# Allegro board PandaX_III_V3.brd (continued)
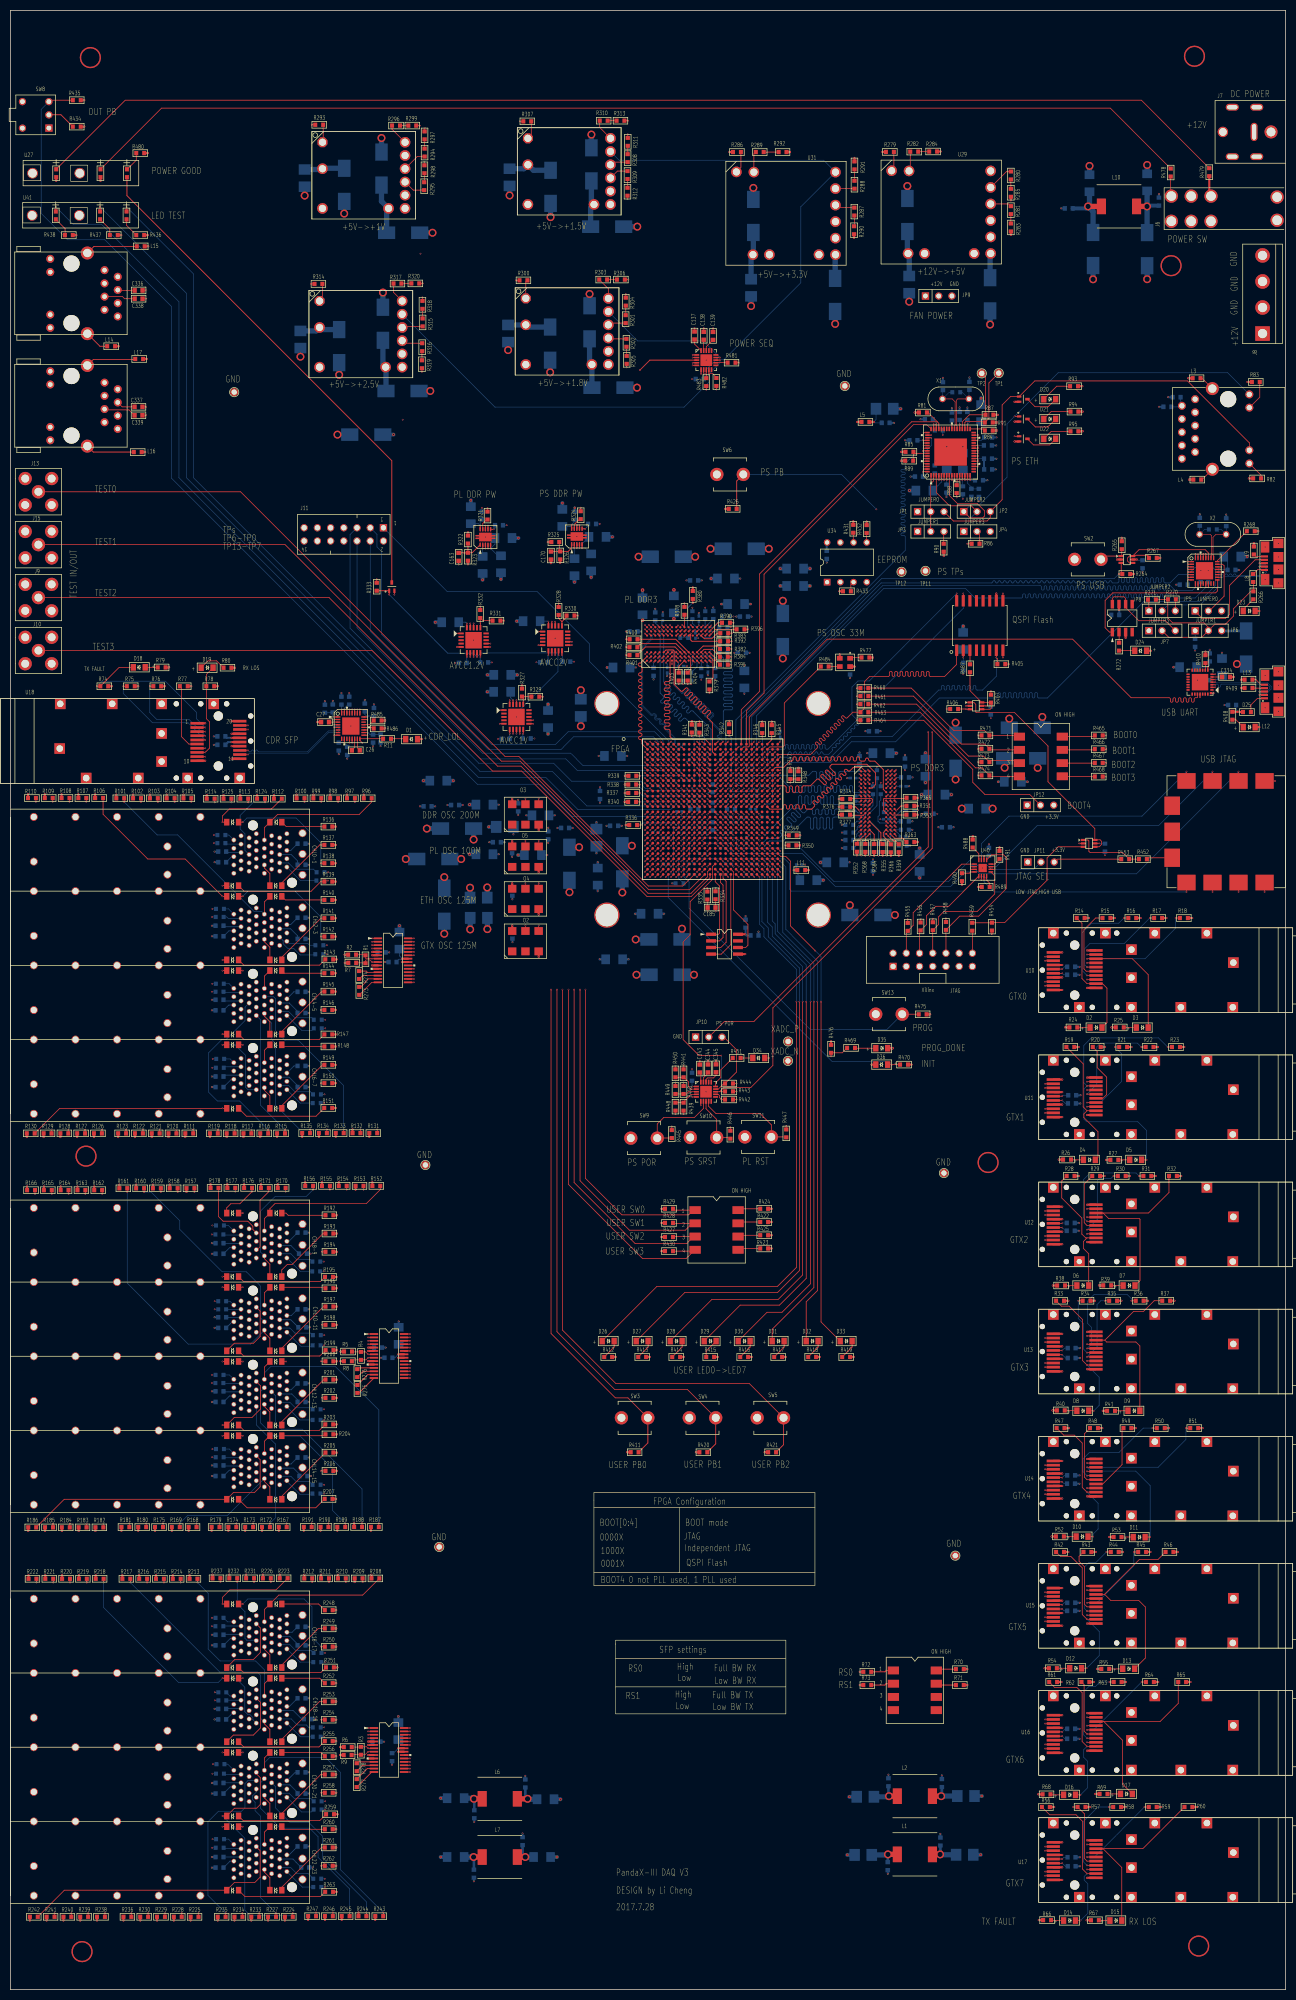
[diagram p0: board, top side]
## Routing (per net, layer and track width the routed paths; a pad name or vN(x,y) marks a point on that pad's centre or on a via; arc(x,y) is an arc through that point) (continued)
FEC_RX_LOS17: length 23.4
  TOP w0.127: R226.2 v1(50.04,78.26) ; J5.1L24 43.07,63.35 46.66,63.35 48.01,64.69 48.01,69.45 J5.1L8
  SIG3 w0.127: v1(50.04,78.26) 48.13,76.35 48.13,71.09 J5.1L8
FEC_RX_LOS18: length 46.7
  TOP w0.127: J5.2T8 48.8,51.02 49.86,49.97 J5.2T24 ; R217.2 v1(23.04,78.16)
  BOTTOM w0.127: J5.2T8 48.6,51.56 48.08,52.07 48.08,60.33 47.45,60.96 40.23,60.96 v1(23.04,78.16)
FEC_RX_LOS19: length 66.1
  TOP w0.127: J5.2L24 42.85,48.87 46.69,48.87 48.03,50.22 48.03,55.18 J5.2L8 ; R222.2 v1(5,78.16)
  SIG1 w0.127: J5.2L8 46.59,56.62 46.59,57.15 44.48,59.26 23.9,59.26 v1(5,78.16)
FEC_RX_LOS20: length 34.7
  TOP w0.127: J5.3T8 48.8,36.8 49.86,35.74 J5.3T24 ; R247.2 v1(58.72,14.81)
  SIG2 w0.127: v1(58.72,14.81) 55.12,14.81 49.53,20.4 49.53,21.9 49.47,21.96 49.47,22.56 49.53,22.61 49.53,23.5 49.47,23.56 49.47,24.16 49.53,24.21 49.53,25.1 49.47,25.16 49.47,25.76 49.53,25.81 49.53,26.7 49.47,26.76 49.47,27.36 49.53,27.41 49.53,28.3 48.03,29.8 48.03,36.5 48.8,37.27 J5.3T8
FEC_RX_LOS21: length 45.1
  TOP w0.127: v1(40.75,33.33) J5.3L24 43.05,34.82 47.29,34.82 48.01,35.54 48.01,40.69 47.25,41.45 J5.3L8 ; R224.2 v1(54.25,14.68)
  BOTTOM w0.127: v1(40.75,33.33) 45.03,29.05 45.03,15.27 46.13,14.17 53.75,14.17 v1(54.25,14.68)
FEC_RX_LOS22: length 32.2
  TOP w0.127: J5.4T24 49.86,21.49 48.8,22.55 J5.4T8 ; R230.2 v1(26.47,14.68)
  SIG2 w0.127: J5.4T8 48.8,22.99 47.7,21.9 47.7,19.84 43.41,15.55 27.33,15.55 v1(26.47,14.68)
FEC_RX_LOS23: length 52
  TOP w0.127: R242.2 10.37,19.08 J5.4L24 43.05,20.58 46.96,20.58 47.98,21.59 47.98,26.67 47.25,27.4 J5.4L8
FEC_RX_N0: length 76.5
  TOP w0.102: U1.C1 v1(121.92,237.62)
  SIG3 w0.102: v1(121.92,237.62) 122.3,237.25 123.23,237.25 123.57,236.91 123.57,236.4 123.17,235.99 117.22,235.99 106,224.77 76.91,224.77 65.84,213.69 61.09,213.69 61.01,213.62 v1(61.01,212.93)
  BOTTOM w0.102: R492.2 v1(61.01,212.93)
FEC_RX_N1: length 103.1
  TOP w0.102: U1.D3 v1(123.92,236.62)
  SIG3 w0.102: v1(123.92,236.62) 124.29,237 124.29,237.83 124.08,238.05 116.16,238.05 104.14,226.04 39.6,226.04 36.6,223.03 36.6,221.16 36.74,221.02 37.15,221.02 arc(37.29,221.08) 37.35,221.22 37.35,221.64 arc(37.55,221.84) 37.76,221.64 37.76,221.22 arc(37.82,221.08) 37.96,221.02 38.99,221.02 39.09,221.12 v1(39.09,221.67)
  BOTTOM w0.102: R494.2 v1(39.09,221.67)
FEC_RX_N2: length 91.2
  TOP w0.102: U1.E3 v1(123.92,235.62)
  SIG3 w0.102: v1(123.92,235.62) 124.29,235.25 125.1,235.25 125.53,234.82 125.53,232.36 125.2,232.03 117.68,232.03 116.18,230.53 116.18,229.03 106.1,218.95 79.84,218.95 63.91,203.02 59.39,203.02 58.6,202.23 58.6,200.11 58.91,199.8 60.71,199.8 60.81,199.9 v1(60.81,200.51)
  BOTTOM w0.102: R496.2 v1(60.81,200.51)
FEC_RX_N3: length 106.6
  TOP w0.102: U1.F2 v1(122.92,234.62)
  SIG3 w0.102: v1(38.81,207.49) 38.81,206.96 38.68,206.83 37.03,206.83 36.93,206.93 36.93,208.86 38.71,210.64 66.09,210.64 76.53,221.08 87.23,221.08 89.89,223.75 107.9,223.75 117.86,233.71 120.98,233.71 121.64,233.05 124.28,233.05 124.51,233.27 124.51,233.96 124.22,234.25 123.29,234.25 v1(122.92,234.62)
  BOTTOM w0.102: R498.2 v1(38.81,207.49)
FEC_RX_N4: length 97.6
  TOP w0.102: U1.L8 v1(128.92,229.62)
  SIG3 w0.102: v1(128.92,229.62) 129.29,229.25 130.29,229.25 130.61,228.93 130.61,227.23 129.44,226.06 119.38,226.06 116.76,223.44 116.76,221.29 110.9,215.42 97.66,215.42 90.22,207.98 90.22,202.79 85.32,197.89 82.85,197.89 76.94,197.89 64.29,185.24 60.48,185.24 60.5,185.22 v1(60.5,184.56)
  BOTTOM w0.102: R500.2 v1(60.5,184.56)
FEC_RX_N5: length 111.5
  TOP w0.102: U1.M4 v1(124.92,228.62)
  SIG3 w0.102: v1(38.79,193.12) 38.79,192.51 37.24,192.51 37.13,192.61 37.13,195.04 38.76,196.67 55.55,196.67 56.01,197.13 60.2,197.13 68.96,205.89 80.09,205.89 90.83,216.64 108.74,216.64 119.02,226.92 126.26,226.92 126.59,227.25 126.59,227.86 126.21,228.25 125.3,228.25 v1(124.92,228.62)
  BOTTOM w0.102: R502.2 v1(38.79,193.12)
FEC_RX_N6: length 107
  TOP w0.102: U1.AC19 v1(140.93,216.62)
  SIG3 w0.102: v1(60.3,170.21) 60.3,170.92 60.25,170.97 99.32,170.97 133.25,204.9 133.25,212.62 135.64,215.01 140.24,215.01 140.54,215.31 140.54,216.49 140.67,216.62 v1(140.93,216.62)
  BOTTOM w0.102: R504.2 v1(60.3,170.21)
FEC_RX_N7: length 128.2
  TOP w0.102: U1.AA18 v1(139.93,218.62)
  SIG3 w0.102: v1(139.93,218.62) 139.9,218.64 139.9,218.87 139.8,218.97 138.62,218.97 138.33,219.27 138.33,219.86 138.15,220.04 121.24,220.04 121.03,219.83 121.03,217.5 112.14,208.61 99.49,208.61 87.93,197.05 77.32,197.05 62.36,182.09 39.4,182.09 37.19,179.88 37.19,178.11 37.29,178 37.52,178 arc(37.66,178.06) 37.72,178.21 37.72,178.39 arc(37.92,178.59) 38.13,178.39 38.13,178.21 arc(38.18,178.06) 38.33,178 38.84,178 38.86,178.03 v1(38.86,178.69)
  BOTTOM w0.102: R506.2 v1(38.86,178.69)
FEC_RX_N8: length 123.3
  TOP w0.102: U1.AD21 v1(142.93,215.62)
  SIG3 w0.102: v1(60.2,137.9) 60.2,138.63 60.3,138.74 77.14,138.74 140.26,201.85 140.26,206.91 142.55,209.21 142.55,215.24 v1(142.93,215.62)
  BOTTOM w0.102: R508.2 v1(60.2,137.9)
FEC_RX_N9: length 140.4
  TOP w0.102: U1.AF20 v1(141.93,213.62)
  SIG3 w0.102: v1(38.81,146.71) 38.81,145.95 38.79,145.92 38.02,145.92 arc(37.92,145.97) 37.88,146.06 arc(37.84,146.16) 37.74,146.2 37.61,146.2 arc(37.51,146.16) 37.47,146.06 arc(37.43,145.97) 37.33,145.92 37.06,145.92 36.96,146.03 36.96,148.51 40.47,152.02 83.08,152.02 141.55,210.49 141.55,213.24 v1(141.93,213.62)
  BOTTOM w0.102: R510.2 v1(38.81,146.71)
FEC_RX_N10: length 137.4
  TOP w0.102: U1.AA23 v1(144.93,218.62)
  SIG3 w0.102: v1(60.27,123.7) 60.27,124.54 60.25,124.56 61.29,124.56 68.74,132 77.95,132 144.55,198.61 144.55,218.24 v1(144.93,218.62)
  BOTTOM w0.102: R512.2 v1(60.27,123.7)
FEC_RX_N11: length 157.3
  TOP w0.102: U1.AC22 v1(143.93,216.62)
  SIG3 w0.102: v1(39.24,132.16) 39.19,132.11 39.19,131.62 39.09,131.52 38.79,131.52 arc(38.64,131.58) 38.58,131.73 38.58,131.75 arc(38.38,131.95) 38.18,131.75 38.18,131.73 arc(38.12,131.58) 37.97,131.52 37.74,131.52 37.16,132.11 37.16,134.03 38.59,135.46 79.2,135.46 143.1,199.36 143.1,207.04 143.55,207.49 143.55,216.25 v1(143.93,216.62)
  BOTTOM w0.102: R514.2 v1(39.24,132.16)
FEC_RX_N12: length 186.4
  TOP w0.102: U1.AF25 v1(146.93,213.62)
  SIG3 w0.102: v1(146.93,213.62) 146.74,213.62 146.53,213.41 146.53,209.68 156.87,199.34 156.87,151.31 132.62,127.05 77.04,127.05 73.96,123.98 73.96,117.68 66.55,110.26 60.38,110.26 60.27,110.16 v1(60.27,109.37)
  BOTTOM w0.102: R516.2 v1(60.27,109.37)
FEC_RX_N13: length 202
  TOP w0.102: U1.AB25 v1(146.93,217.62)
  SIG3 w0.102: v1(38.73,118.01) 38.73,117.43 38.71,117.4 37.92,117.4 arc(37.78,117.46) 37.72,117.6 37.72,117.78 arc(37.52,117.98) 37.31,117.78 37.31,117.6 arc(37.25,117.46) 37.11,117.4 36.88,117.4 36.78,117.5 36.78,119.89 38.31,121.41 60.18,121.41 62.23,123.47 64.6,123.47 70.9,129.77 122.45,129.77 152.55,159.87 152.55,185.47 145.57,192.46 145.57,217.9 145.65,217.99 146.56,217.99 v1(146.93,217.62)
  BOTTOM w0.102: R518.2 v1(38.73,118.01)
FEC_RX_N14: length 183.4
  TOP w0.102: U1.Y20 v1(141.93,219.62)
  SIG4 w0.102: v1(141.93,219.62) 141.93,219.86 141.8,219.99 140.61,219.99 140.51,219.89 140.51,219.27 140.26,219.02 121.07,219.02 119.15,217.09 108.13,217.09 93.7,202.67 93.7,121.57 68.05,95.91 60.3,95.91 60.17,95.78 60.17,95.3 v1(60.25,95.23)
  BOTTOM w0.102: R520.2 v1(60.25,95.23)
FEC_RX_N15: length 241.8
  TOP w0.102: U1.W19 v1(140.93,220.62)
  SIG3 w0.102: v1(38.81,103.79) 38.81,103.23 38.76,103.18 37.98,103.18 arc(37.83,103.24) 37.77,103.38 arc(37.57,103.58) 37.37,103.38 arc(37.31,103.24) 37.16,103.18 36.94,103.18 36.75,103.36 36.75,105.23 39.02,107.49 66.3,107.49 75.56,116.76 75.56,121.26 75.92,121.62 77.52,121.62 80.31,124.41 135.99,124.41 163.83,152.25 163.83,209.76 154.36,219.23 140.67,219.23 140.55,219.34 140.55,220.25 v1(140.93,220.62)
  BOTTOM w0.102: R522.2 v1(38.81,103.79)
FEC_RX_N16: length 206.9
  TOP w0.102: U1.AB19 v1(140.93,217.62)
  SIG4 w0.102: v1(140.93,217.62) 140.59,217.96 121.41,217.96 119.08,215.62 114.81,215.62 97.61,198.42 97.61,95.78 65.46,63.63 60.45,63.63 60.35,63.53 60.35,62.92 v1(60.4,62.87)
  BOTTOM w0.102: R524.2 v1(60.4,62.87)
FEC_RX_N17: length 228.9
  TOP w0.102: U1.AF18 v1(139.93,213.62)
  SIG4 w0.102: v1(38.73,71.38) 38.73,70.82 38.58,70.66 37.64,70.66 36.07,69.09 36.07,65.53 38.94,62.66 50.44,62.66 52.02,61.09 66.83,61.09 111.02,105.28 111.02,188.65 131.75,209.37 138.13,209.37 138.96,210.21 138.96,213.56 139.4,214 139.57,214 139.67,213.89 139.67,213.87 v1(139.93,213.62)
  BOTTOM w0.102: R528.2 v1(38.73,71.38)
FEC_RX_N18: length 213.9
  TOP w0.102: U1.AE21 v1(142.93,214.62)
  SIG4 w0.102: v1(60.3,48.54) 60.3,49.2 60.35,49.25 63.73,49.25 115.87,101.4 120.88,101.4 125.58,106.09 125.58,125.6 147.24,147.26 147.46,147.49 151.28,151.31 151.28,188.04 145.06,194.26 145.06,209.78 142.57,212.27 142.57,214.4 142.67,214.5 142.82,214.5 v1(142.93,214.62)
  BOTTOM w0.102: R526.2 v1(60.3,48.54)
FEC_RX_N19: length 229.5
  TOP w0.102: U1.AD19 v1(140.93,215.62)
  SIG4 w0.102: v1(39.27,57.07) 39.27,56.49 39.24,56.47 37.8,56.47 37.36,56.9 37.36,57.58 arc(37.39,57.63) 37.44,57.66 arc(37.49,57.68) 37.52,57.73 37.52,57.99 arc(37.49,58.04) 37.44,58.06 arc(37.39,58.08) 37.36,58.14 37.36,58.39 arc(37.39,58.45) 37.44,58.47 arc(37.49,58.49) 37.52,58.54 37.52,58.8 arc(37.49,58.85) 37.44,58.87 arc(37.39,58.9) 37.36,58.95 37.36,59.18 39.17,60.99 48.76,60.99 49.83,59.92 69.73,59.92 114.33,104.52 114.33,189.03 114.33,190.76 131.6,208.03 138.28,208.03 140.54,210.28 140.54,215.47 140.69,215.62 v1(140.93,215.62)
  BOTTOM w0.102: R530.2 v1(39.27,57.07)
FEC_RX_N20: length 249.9
  TOP w0.102: U1.AD24 v1(145.93,215.62)
  SIG4 w0.102: v1(60.48,34.57) 60.48,35.15 60.58,35.26 76.96,35.26 107.95,66.24 120.53,66.24 161.59,107.31 161.59,190.7 149.73,202.57 149.73,214.15 148.72,215.16 148.17,215.16 148.16,215.17 145.76,215.17 145.58,215.35 145.58,215.48 145.72,215.62 v1(145.93,215.62)
  BOTTOM w0.102: R532.2 v1(60.48,34.57)
FEC_RX_N21: length 265.3
  TOP w0.102: U1.AF23 v1(144.93,213.62)
  SIG4 w0.102: v1(38.91,43.28) 38.84,43.21 38.84,42.6 38.73,42.5 37.11,42.5 37.01,42.6 37.01,43.1 arc(37.07,43.25) 37.21,43.3 arc(37.41,43.51) 37.21,43.71 arc(37.01,43.91) 37.21,44.12 arc(37.41,44.32) 37.21,44.52 arc(37.07,44.58) 37.01,44.73 37.01,44.96 38.43,46.38 62.26,46.38 68.1,52.22 71.48,52.22 91.16,71.91 118.8,71.91 157.1,110.21 157.1,190.35 146.23,201.22 146.23,209.89 143.56,212.55 143.56,213.77 143.81,214.02 144.55,214.02 144.65,213.92 144.65,213.89 v1(144.93,213.62)
  BOTTOM w0.102: R534.2 v1(38.91,43.28)
FEC_RX_N22: length 276.8
  TOP w0.102: U1.AB24 v1(145.93,217.62)
  SIG4 w0.102: v1(60.4,19.69) 60.4,20.3 60.43,20.32 70.79,20.32 110.77,60.3 121.21,60.3 168.26,107.35 168.26,203.47 161.54,210.19 160.18,210.19 149.94,220.42 144.65,220.42 144.3,220.07 144.3,218.36 144.7,217.96 145.59,217.96 145.69,217.86 145.69,217.85 v1(145.93,217.62)
  BOTTOM w0.102: R536.2 v1(60.4,19.69)
FEC_RX_N23: length 288.6
  TOP w0.102: U1.AB22 v1(143.93,217.62)
  SIG4 w0.102: v1(38.84,28.88) 38.81,28.86 38.81,28.25 38.76,28.2 38.48,28.2 arc(38.36,28.24) 38.32,28.36 arc(38.27,28.48) 38.15,28.53 38.07,28.53 arc(37.96,28.48) 37.91,28.36 arc(37.86,28.24) 37.74,28.2 37.52,28.2 37.41,28.3 37.41,29.94 39.81,32.34 75.98,32.34 106.99,63.35 121.54,63.35 164.29,106.09 164.29,203.12 151.13,216.28 143.66,216.28 143.54,216.41 143.54,217.23 v1(143.93,217.62)
  BOTTOM w0.102: R538.2 v1(38.84,28.88)
FEC_RX_P0: length 76.6
  TOP w0.102: U1.D1 v1(121.92,236.62)
  SIG3 w0.102: v1(61.04,214.53) 61.04,214.05 61.14,213.95 61.37,213.95 arc(61.48,213.99) 61.53,214.11 arc(61.58,214.23) 61.7,214.28 61.77,214.28 arc(61.89,214.23) 61.94,214.11 arc(61.99,213.99) 62.1,213.95 62.18,213.95 arc(62.3,213.99) 62.34,214.11 arc(62.39,214.23) 62.51,214.28 62.59,214.28 arc(62.7,214.23) 62.75,214.11 arc(62.8,213.99) 62.92,213.95 62.99,213.95 arc(63.11,213.99) 63.16,214.11 arc(63.21,214.23) 63.32,214.28 63.4,214.28 arc(63.52,214.23) 63.56,214.11 arc(63.61,213.99) 63.73,213.95 65.74,213.95 76.81,225.02 105.89,225.02 117.12,236.25 123.06,236.25 123.32,236.5 123.32,236.8 123.12,237 122.3,237 v1(121.92,236.62)
  BOTTOM w0.102: R493.2 v1(61.04,214.53)
FEC_RX_P1: length 103
  TOP w0.102: U1.D4 v1(124.92,236.62)
  SIG3 w0.102: v1(39.09,220.12) 39.09,220.66 38.99,220.77 36.64,220.77 36.35,221.06 36.35,223.14 39.5,226.29 104.04,226.29 116.05,238.3 124.18,238.3 124.55,237.94 124.55,237 v1(124.92,236.62)
  BOTTOM w0.102: R495.2 v1(39.09,220.12)
FEC_RX_P2: length 91.2
  TOP w0.102: U1.F3 v1(123.92,234.62)
  SIG3 w0.102: v1(60.78,198.78) 60.76,198.81 60.76,199.39 60.6,199.54 58.8,199.54 58.34,200 58.34,202.34 59.28,203.28 63.8,203.28 79.73,219.2 105.99,219.2 115.93,229.13 115.93,230.63 117.58,232.28 125.09,232.28 125.27,232.47 125.27,234.72 125,235 124.29,235 v1(123.92,234.62)
  BOTTOM w0.102: R497.2 v1(60.78,198.78)
FEC_RX_P3: length 106.6
  TOP w0.102: U1.G2 v1(122.92,233.62)
  SIG3 w0.102: v1(38.76,205.94) 38.79,205.97 38.79,206.48 38.68,206.58 36.93,206.58 36.68,206.83 36.68,208.97 38.61,210.9 65.99,210.9 76.43,221.34 87.12,221.34 89.79,224 107.8,224 117.75,233.96 121.09,233.96 121.75,233.3 124.18,233.3 124.26,233.38 124.26,233.86 124.12,234 123.29,234 v1(122.92,233.62)
  BOTTOM w0.102: R499.2 v1(38.76,205.94)
FEC_RX_P4: length 97.5
  TOP w0.102: U1.M8 v1(128.92,228.62)
  SIG3 w0.102: v1(60.5,186.21) 60.48,186.18 60.48,185.6 60.58,185.5 60.95,185.5 arc(61.08,185.55) 61.13,185.68 arc(61.18,185.8) 61.31,185.85 61.36,185.85 arc(61.48,185.8) 61.53,185.68 arc(61.59,185.55) 61.71,185.5 61.76,185.5 arc(61.89,185.55) 61.94,185.68 arc(61.99,185.8) 62.12,185.85 62.17,185.85 arc(62.3,185.8) 62.35,185.68 arc(62.4,185.55) 62.53,185.5 64.19,185.5 76.83,198.15 82.95,198.15 85.21,198.15 89.97,202.9 89.97,208.08 97.56,215.67 110.79,215.67 116.51,221.39 116.51,223.55 119.27,226.32 129.33,226.32 130.35,227.33 130.35,228.83 130.18,229 129.29,229 v1(128.92,228.62)
  BOTTOM w0.102: R501.2 v1(60.5,186.21)
FEC_RX_P5: length 111.5
  TOP w0.102: U1.N4 v1(124.92,227.62)
  SIG3 w0.102: v1(38.73,191.59) 38.79,191.64 38.79,192.15 38.68,192.25 37.13,192.25 36.88,192.5 36.88,195.15 38.66,196.93 55.44,196.93 55.9,197.38 60.09,197.38 68.86,206.15 79.98,206.15 90.73,216.89 108.63,216.89 118.92,227.18 126.16,227.18 126.34,227.36 126.34,227.76 126.1,228 125.3,228 v1(124.92,227.62)
  BOTTOM w0.102: R503.2 v1(38.73,191.59)
FEC_RX_P6: length 107
  TOP w0.102: U1.AC18 v1(139.93,216.62)
  SIG3 w0.102: v1(139.93,216.62) 140.1,216.62 140.28,216.43 140.28,215.42 140.13,215.27 135.53,215.27 132.99,212.73 132.99,205 99.21,171.22 62.11,171.22 arc(62.01,171.26) 61.97,171.36 arc(61.93,171.46) 61.83,171.5 61.71,171.5 arc(61.61,171.46) 61.57,171.36 arc(61.53,171.26) 61.43,171.22 61.3,171.22 arc(61.2,171.26) 61.16,171.36 arc(61.12,171.46) 61.02,171.5 60.89,171.5 arc(60.8,171.46) 60.75,171.36 arc(60.71,171.26) 60.61,171.22 60.35,171.22 60.25,171.32 60.25,171.78 v1(60.35,171.88)
  BOTTOM w0.102: R505.2 v1(60.35,171.88)
FEC_RX_P7: length 128.2
  TOP w0.102: U1.Y18 v1(139.93,219.62)
  SIG3 w0.102: v1(38.79,176.99) 38.84,177.04 38.84,177.65 38.73,177.75 37.18,177.75 36.93,178 36.93,179.99 39.29,182.35 62.26,182.35 77.22,197.31 87.83,197.31 99.39,208.87 112.04,208.87 120.78,217.61 120.78,219.94 121.13,220.3 138.26,220.3 138.58,219.97 138.58,219.37 138.72,219.23 139.73,219.23 139.93,219.43 v1(139.93,219.62)
  BOTTOM w0.102: R507.2 v1(38.79,176.99)
FEC_RX_P8: length 123.3
  TOP w0.102: U1.AD20 v1(141.93,215.62)
  SIG3 w0.102: v1(60.22,139.78) 60.17,139.73 60.17,139.09 60.27,138.99 60.77,138.99 arc(60.86,139.02) 60.89,139.1 arc(60.92,139.19) 61,139.22 61.18,139.22 arc(61.26,139.19) 61.3,139.1 arc(61.33,139.02) 61.41,138.99 61.59,138.99 arc(61.67,139.02) 61.7,139.1 arc(61.74,139.19) 61.82,139.22 61.99,139.22 arc(62.07,139.19) 62.11,139.1 arc(62.14,139.02) 62.22,138.99 77.04,138.99 140,201.96 140,207.01 142.3,209.31 142.3,215.24 v1(141.93,215.62)
  BOTTOM w0.102: R509.2 v1(60.22,139.78)
FEC_RX_P9: length 140.4
  TOP w0.102: U1.AF19 v1(140.93,213.62)
  SIG3 w0.102: v1(140.93,213.62) 141.3,213.24 141.3,210.6 82.98,152.27 40.36,152.27 36.7,148.62 36.7,145.92 36.95,145.67 38.68,145.67 38.79,145.57 38.79,145.06 v1(38.71,144.98)
  BOTTOM w0.102: R511.2 v1(38.71,144.98)
FEC_RX_P10: length 137.4
  TOP w0.102: U1.AA22 v1(143.93,218.62)
  SIG3 w0.102: v1(60.32,125.65) 60.25,125.58 60.25,124.92 60.35,124.82 61.19,124.82 61.5,125.13 arc(61.56,125.28) 61.5,125.42 61.5,125.42 arc(61.5,125.71) 61.79,125.71 61.79,125.71 arc(61.94,125.65) 62.08,125.71 68.63,132.26 77.85,132.26 144.3,198.71 144.3,218.24 v1(143.93,218.62)
  BOTTOM w0.102: R513.2 v1(60.32,125.65)
FEC_RX_P11: length 157.3
  TOP w0.102: U1.AC21 v1(142.93,216.62)
  SIG3 w0.102: v1(39.24,130.61) 39.24,131.22 39.19,131.27 37.64,131.27 36.91,132 36.91,134.14 38.48,135.71 79.1,135.71 142.85,199.47 142.85,207.14 143.3,207.59 143.3,216.25 v1(142.93,216.62)
  BOTTOM w0.102: R515.2 v1(39.24,130.61)
FEC_RX_P12: length 186.4
  TOP w0.102: U1.AF24 v1(145.93,213.62)
  SIG3 w0.102: v1(60.27,111.41) 60.27,110.62 60.38,110.52 61.33,110.52 arc(61.46,110.57) 61.52,110.71 arc(61.57,110.84) 61.71,110.9 61.73,110.9 arc(61.87,110.84) 61.92,110.71 arc(61.98,110.57) 62.11,110.52 66.45,110.52 73.71,117.78 73.71,124.08 76.93,127.31 132.51,127.31 156.62,151.41 156.62,199.24 146.28,209.58 146.28,213.51 146.17,213.62 v1(145.93,213.62)
  BOTTOM w0.102: R517.2 v1(60.27,111.41)
FEC_RX_P13: length 202
  TOP w0.102: U1.AA25 v1(146.93,218.62)
  SIG3 w0.102: v1(146.93,218.62) 146.56,218.24 145.55,218.24 145.31,218.01 145.31,192.35 152.3,185.37 152.3,159.97 122.35,130.02 70.79,130.02 64.49,123.72 62.13,123.72 60.07,121.67 38.2,121.67 36.53,119.99 36.53,117.4 36.78,117.15 38.61,117.15 38.71,117.04 v1(38.71,116.46)
  BOTTOM w0.102: R519.2 v1(38.71,116.46)
FEC_RX_P14: length 183.4
  TOP w0.102: U1.W20 v1(141.93,220.62)
  SIG4 w0.102: v1(60.27,96.93) 60.17,96.83 60.17,96.27 60.27,96.17 67.94,96.17 93.45,121.67 93.45,202.77 108.02,217.35 119.05,217.35 120.97,219.27 140.16,219.27 140.26,219.37 140.26,219.99 140.51,220.24 141.78,220.24 141.93,220.4 v1(141.93,220.62)
  BOTTOM w0.102: R521.2 v1(60.27,96.93)
FEC_RX_P15: length 241.8
  TOP w0.102: U1.W18 v1(139.93,220.62)
  SIG3 w0.102: v1(38.76,102.21) 38.76,102.82 38.66,102.92 36.83,102.92 36.5,103.25 36.5,105.33 38.91,107.75 66.19,107.75 75.31,116.87 75.31,121.36 75.82,121.87 77.42,121.87 80.21,124.66 135.89,124.66 163.58,152.35 163.58,209.65 154.25,218.97 140.56,218.97 140.3,219.23 140.3,220.25 v1(139.93,220.62)
  BOTTOM w0.102: R523.2 v1(38.76,102.21)
FEC_RX_P16: length 207
  TOP w0.102: U1.AA19 v1(140.93,218.62)
  SIG4 w0.102: v1(140.93,218.62) 140.52,218.21 121.31,218.21 118.97,215.88 114.71,215.88 97.36,198.53 97.36,95.89 65.35,63.88 60.43,63.88 60.32,63.98 60.32,64.52 v1(60.45,64.64)
  BOTTOM w0.102: R525.2 v1(60.45,64.64)
FEC_RX_P17: length 228.9
  TOP w0.102: U1.AE18 v1(139.93,214.62)
  SIG4 w0.102: v1(38.71,69.75) 38.71,70.31 38.61,70.41 37.75,70.41 36.32,68.98 36.32,68.24 arc(36.38,68.1) 36.51,68.05 arc(36.65,67.99) 36.7,67.86 36.7,67.83 arc(36.65,67.7) 36.51,67.64 arc(36.38,67.59) 36.32,67.45 36.32,67.43 arc(36.38,67.29) 36.51,67.24 arc(36.65,67.18) 36.7,67.04 36.7,67.02 arc(36.65,66.88) 36.51,66.83 arc(36.38,66.77) 36.32,66.64 36.32,65.64 39.04,62.92 50.55,62.92 52.12,61.34 66.72,61.34 110.77,105.39 110.77,188.75 131.64,209.63 138.02,209.63 138.71,210.32 138.71,213.67 139.29,214.25 139.67,214.25 139.93,214.5 v1(139.93,214.62)
  BOTTOM w0.102: R529.2 v1(38.71,69.75)
FEC_RX_P18: length 213.9
  TOP w0.102: U1.AE20 v1(141.93,214.62)
  SIG4 w0.102: v1(141.93,214.62) 142.2,214.62 142.32,214.5 142.32,212.17 144.81,209.68 144.81,194.16 151.03,187.94 151.03,151.41 147.13,147.52 125.32,125.71 125.32,106.2 120.78,101.65 115.77,101.65 63.62,49.51 61.32,49.51 arc(61.23,49.54) 61.2,49.62 arc(61.17,49.7) 61.09,49.73 60.91,49.73 arc(60.83,49.7) 60.79,49.62 arc(60.76,49.54) 60.68,49.51 60.45,49.51 60.35,49.61 60.35,50.29 v1(60.3,50.34)
  BOTTOM w0.102: R527.2 v1(60.3,50.34)
FEC_RX_P19: length 229.5
  TOP w0.102: U1.AD18 v1(139.93,215.62)
  SIG4 w0.102: v1(39.27,55.53) 39.24,55.55 39.24,56.11 39.14,56.21 37.69,56.21 37.11,56.8 37.11,59.28 39.07,61.24 48.87,61.24 49.94,60.17 69.62,60.17 114.07,104.62 114.07,188.92 114.07,190.86 131.49,208.28 138.18,208.28 140.28,210.39 140.28,215.44 140.11,215.62 v1(139.93,215.62)
  BOTTOM w0.102: R531.2 v1(39.27,55.53)
FEC_RX_P20: length 249.9
  TOP w0.102: U1.AD23 v1(144.93,215.62)
  SIG4 w0.102: v1(144.93,215.62) 145.29,215.62 145.33,215.58 145.33,215.25 145.66,214.92 148.05,214.92 148.06,214.91 148.61,214.91 149.48,214.04 149.48,202.46 161.34,190.6 161.34,107.42 120.42,66.5 107.84,66.5 76.86,35.51 61.49,35.51 arc(61.39,35.55) 61.35,35.65 arc(61.31,35.75) 61.21,35.79 61.08,35.79 arc(60.99,35.75) 60.94,35.65 arc(60.9,35.55) 60.8,35.51 60.48,35.51 v1(60.48,36.15)
  BOTTOM w0.102: R533.2 v1(60.48,36.15)
FEC_RX_P21: length 265.2
  TOP w0.102: U1.AE23 v1(144.93,214.62)
  SIG4 w0.102: v1(38.81,41.45) 38.81,42.22 38.84,42.24 37,42.24 36.75,42.49 36.75,45.06 38.33,46.64 62.15,46.64 67.99,52.48 71.37,52.48 91.06,72.16 118.69,72.16 156.84,110.31 156.84,190.25 145.97,201.12 145.97,209.78 143.31,212.45 143.31,213.87 143.71,214.28 144.65,214.28 144.93,214.55 v1(144.93,214.62)
  BOTTOM w0.102: R535.2 v1(38.81,41.45)
FEC_RX_P22: length 276.9
  TOP w0.102: U1.AA24 v1(145.93,218.62)
  SIG4 w0.102: v1(145.93,218.62) 145.93,218.52 145.62,218.21 144.81,218.21 144.55,218.47 144.55,219.97 144.75,220.17 149.83,220.17 160.07,209.93 161.44,209.93 168.01,203.37 168.01,107.46 121.1,60.55 110.67,60.55 70.69,20.58 62.43,20.58 arc(62.29,20.63) 62.23,20.78 62.23,20.96 arc(62.02,21.16) 61.82,20.96 61.82,20.78 arc(61.62,20.58) 61.41,20.78 61.41,20.96 arc(61.21,21.16) 61.01,20.96 61.01,20.78 arc(60.95,20.63) 60.8,20.58 60.53,20.58 60.43,20.68 60.43,21.26 v1(60.4,21.29)
  BOTTOM w0.102: R537.2 v1(60.4,21.29)
FEC_RX_P23: length 288.6
  TOP w0.102: U1.AB21 v1(142.93,217.62)
  SIG4 w0.102: v1(142.93,217.62) 142.96,217.62 143.28,217.3 143.28,216.3 143.56,216.03 151.02,216.03 164.03,203.02 164.03,106.2 121.44,63.6 106.88,63.6 75.87,32.59 39.7,32.59 37.16,30.05 37.16,28.19 37.41,27.94 38.66,27.94 38.76,27.84 v1(38.76,27.23)
  BOTTOM w0.102: R539.2 v1(38.76,27.23)
FEC_TX_FAULT0: length 25.7
  TOP w0.127: J3.1T2 48.8,223.09 J3.1T22 51.31,225.6 67.01,225.6 69.42,228.02 R96.2
FEC_TX_FAULT1: length 28.4
  TOP w0.127: J3.1L22 v1(40.75,224.15) 40.75,225.36 42.09,226.7 50.19,226.7 R112.2
  SIG1 w0.127: J3.1L2 45.66,215.52 45.28,215.9 43.94,215.9 43.64,216.2 43.64,216.43 43.33,216.74 42.27,216.74 40.75,218.26 v1(40.75,224.15)
FEC_TX_FAULT2: length 40.4
  TOP w0.127: J3.2T2 48.8,208.84 J3.2T22 ; R101.2 v1(21.87,228.02)
  BOTTOM w0.127: v1(21.87,228.02) 28.19,221.69 32.13,221.69 46.87,206.96 48.31,206.96 J3.2T2
FEC_TX_FAULT3: length 47
  TOP w0.127: R106.2 17.81,225.65 26.39,217.07 33.58,217.07 v1(40.75,209.9) J3.2L22
  SIG1 w0.127: v1(40.75,209.9) 40.75,203.81 42.04,202.52 43.13,202.52 43.9,201.74 44.84,201.74 45.31,201.27 J3.2L2
FEC_TX_FAULT4: length 52.1
  TOP w0.127: J3.3T22 48.8,194.59 J3.3T2 ; R131.2 v1(70.48,165.15)
  SIG1 w0.127: J3.3T2 48.8,193.58 50.16,194.95 56.92,194.95 57.96,193.9 57.96,188.72 59.46,187.22 62.92,187.22 70.48,179.66 v1(70.48,165.15)
FEC_TX_FAULT5: length 44.2
  TOP w0.127: J3.3L22 v1(40.75,195.65) ; R115.2 v1(52.76,165.1)
  SIG1 w0.152: J3.3L2 47.25,186.42 45.16,184.33 42.19,184.33 40.75,185.77 v1(40.75,195.65)
  BOTTOM w0.127: J3.3L2 48.06,186.22 48.06,169.8 v1(52.76,165.1)
FEC_TX_FAULT6: length 31
  TOP w0.127: R120.2 v1(31.9,165.1) ; J3.4T2 48.8,180.34 J3.4T22
  SIG2 w0.127: v1(31.9,165.1) 32.66,165.86 43.79,165.86 47.98,170.05 47.98,177.16 J3.4T2
FEC_TX_FAULT7: length 48.5
  TOP w0.127: R126.2 v1(17.58,165.1) ; J3.4L22 v1(40.75,181.4)
  SIG1 w0.127: v1(17.58,165.1) 19.94,165.1 24.59,169.75 45.03,169.75 47.25,171.96 J3.4L2
  BOTTOM w0.127: J3.4L2 45.66,172.77 45.15,173.28 45.15,179.41 43.16,181.4 v1(40.75,181.4)
FEC_TX_FAULT8: length 28.1
  TOP w0.127: J4.1T2 48.8,148.03 J4.1T22 49.86,149.93 50.85,150.93 68.4,150.93 71.07,153.59 R152.2
FEC_TX_FAULT9: length 21.6
  TOP w0.127: R176.2 v1(46.43,153.21) 44.09,150.88 42.34,150.88 41.56,150.09 J4.1L22
  SIG1 w0.127: v1(46.43,153.21) 47.97,151.68 47.97,141.31 47.25,140.6 J4.1L2
FEC_TX_FAULT10: length 33.9
  TOP w0.127: J4.2T2 48.8,133.78 J4.2T22 ; R157.2 v1(35.36,153.14)
  SIG4 w0.127: v1(35.36,153.14) 38.1,150.39 38.1,146.58 41.12,143.56 41.12,139.52 43.41,137.24 46.81,137.24 48.8,135.25 J4.2T2
FEC_TX_FAULT11: length 49
  TOP w0.127: R162.2 v1(17.63,152.78) ; J4.2L22 v1(40.75,134.84)
  SIG1 w0.127: v1(40.75,134.84) 32.2,143.38 22.4,143.38 17.63,148.16 v1(17.63,152.78)
  SIG2 w0.127: J4.2L2 47.2,126.16 45.39,126.16 45.03,126.52 45.03,133.45 43.64,134.84 v1(40.75,134.84)
FEC_TX_FAULT12: length 53.5
  TOP w0.127: J4.3T2 48.8,119.53 J4.3T22 ; R187.2 v1(70.79,89.54)
  BOTTOM w0.127: v1(70.79,89.54) 70.79,111.28 62.46,119.61 50.01,119.61 48.8,118.4 J4.3T2
FEC_TX_FAULT13: length 43.6
  TOP w0.127: R172.2 v1(49.86,89.51) ; J4.3L22 v1(40.75,120.59)
  SIG1 w0.127: J4.3L2 48.08,112.8 48.08,121.21 47.47,121.82 41.98,121.82 v1(40.75,120.59)
  BOTTOM w0.127: v1(49.86,89.51) 50.93,90.58 50.93,104.75 47.25,108.43 J4.3L2
FEC_TX_FAULT14: length 36.2
  TOP w0.127: J4.4T2 48.8,105.28 J4.4T22 ; R180.2 v1(26.09,89.51)
  SIG1 w0.127: v1(26.09,89.51) 27.61,89.51 33.53,95.43 47.09,95.43 48.08,96.42 48.08,102.06 48.8,102.77 J4.4T2